# Altium PCB tagIT_pcb.PcbDoc (part 1 of 2) (continued)
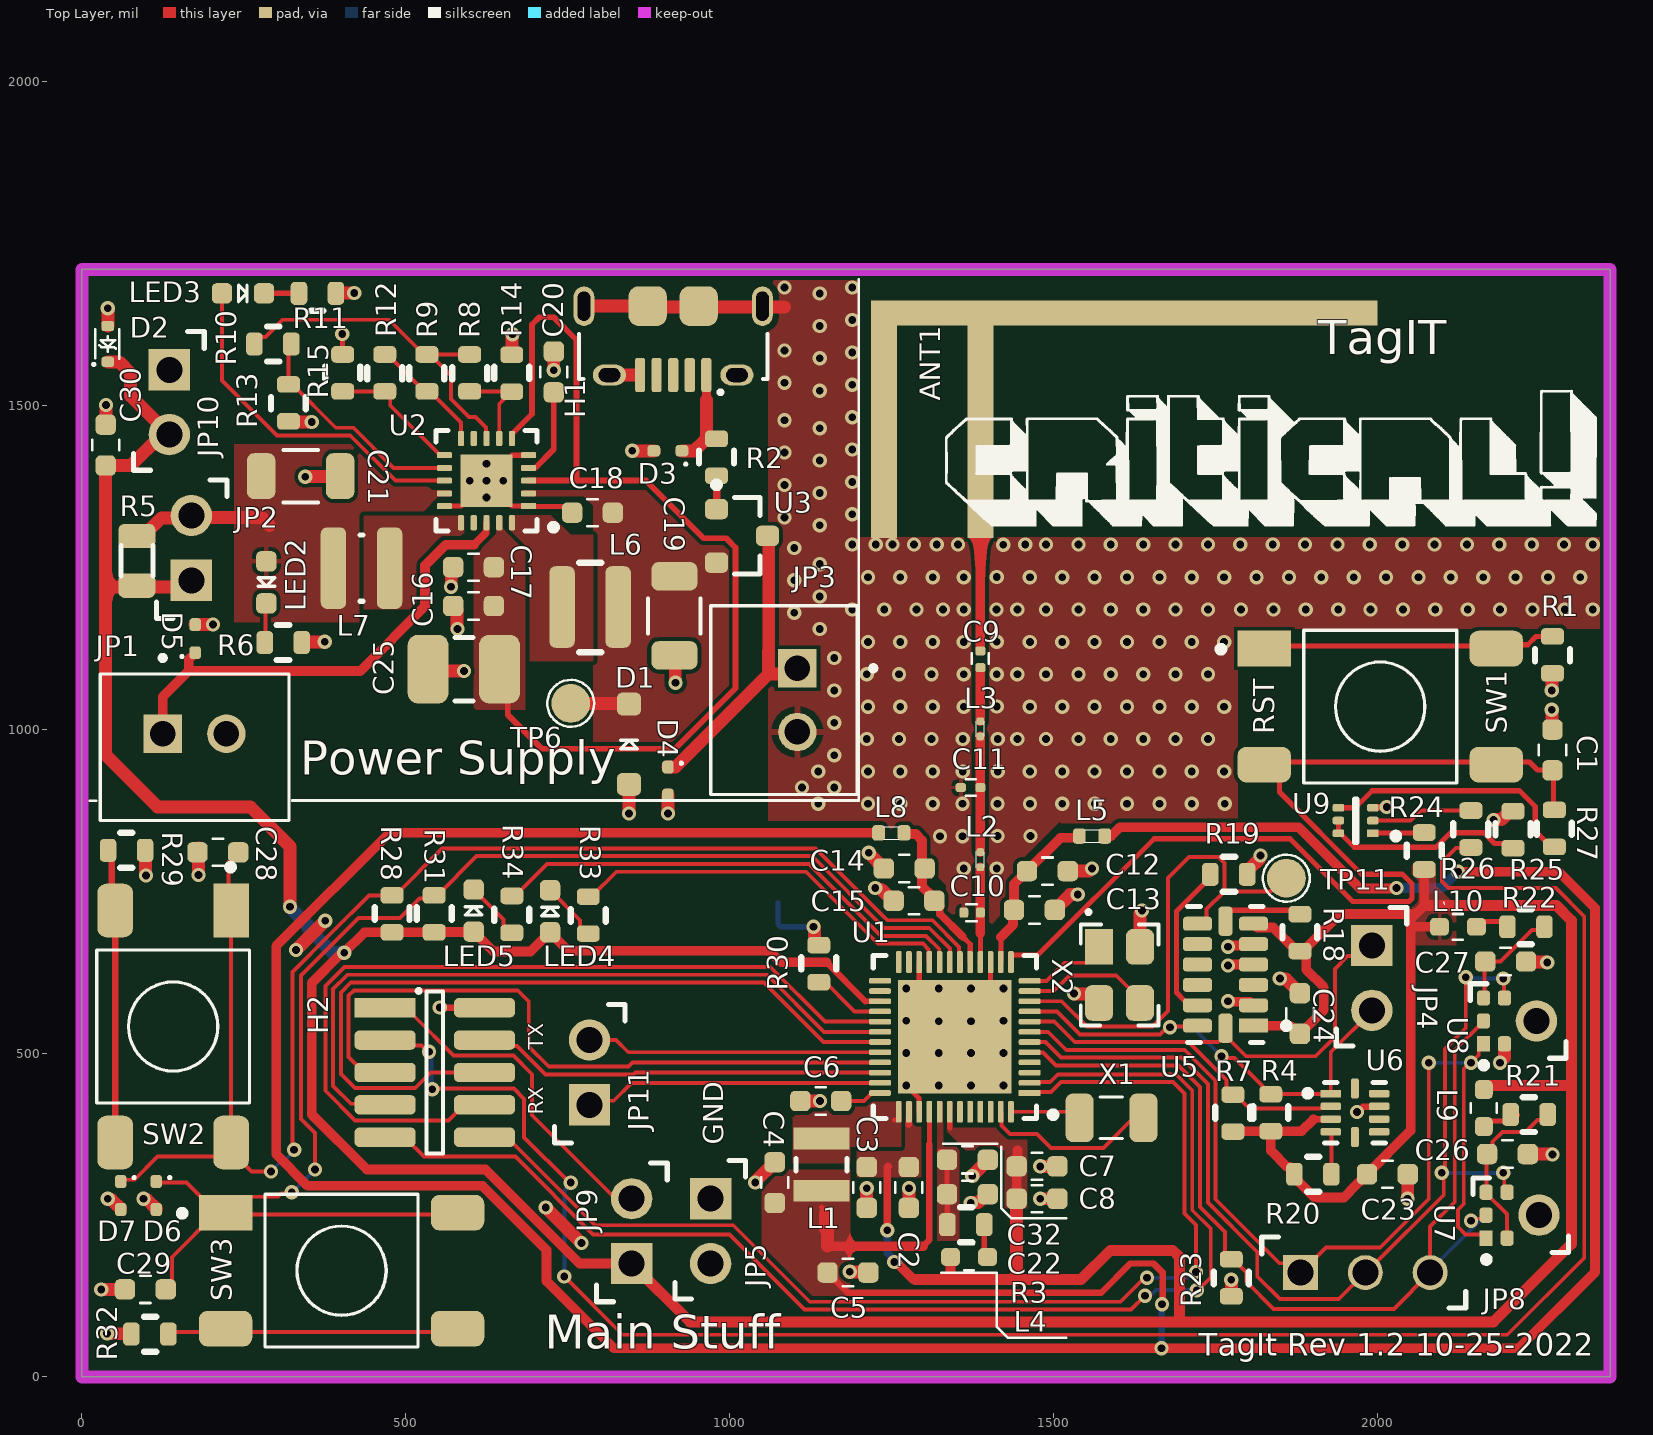
[diagram p0: Top Layer view]
## Part data (continued)
C13: library part 06035U180GAT2A, "Cap Ceramic 18pF 50V C0G 2% SMD 0603 125°C T/R", Capacitance=18pF, Case Code (Imperial)=0603, Case Code (Metric)=1608, Dielectric=C0G, Manufacturer="Kyocera AVX", Max Operating Temperature=125°C, Min Operating Temperature=-55°C, Package Quantity=8000, Resistor Type=Ceramic, Tolerance=2%, Voltage Rating=50V, Case/Package=0603, Category="Ceramic Capacitors", ComponentLink1Description=https://datasheet.ciiva.com/208/useries-208103.pdf?src-supplier=Digi-Key, ComponentLink1URL=https://datasheet.ciiva.com/208/useries-208103.pdf?src-supplier=Digi-Key, Construction=Flat, Depth=0.76mm, Height=0.91mm, Lead Free="Lead Free", Length=1.52mm, Manufacturer Part Number=06035U180GAT2A, Mount="Surface Mount", Packaging="Tape and Reel", Pricing 1="1=0.34000, 10=0.23000, 50=0.15360, 100=0.13050, 500=0.09212, 1000=0.08060 (USD)", Radiation Hardening=No, RoHS=Yes, RoHS Compliant=Yes, Series=U, Stock 1=3947, Supplier 1=Digi-Key, Termination=SMD/SMT, Thickness=0.036inch, Voltage Rating (DC)=50V, Width=0.81mm
C14: library part CL10A105KQ8NNNC, "Cap Ceramic 1uF 6.3V X5R 10% SMD 0603 85°C Paper T/R", Case Code (Imperial)=0603, Case Code (Metric)=1608, Dielectric=X5R, Manufacturer=Samsung, Max Operating Temperature=85°C, Min Operating Temperature=-55°C, Package Quantity=1, Tolerance=10%, Voltage Rating=6.3V, Capacitance=1uF, Case/Package=0603, Category="Ceramic Capacitors", ComponentLink1Description=https://datasheet.ciiva.com/25801/cl10a105kq8nnnc-25801975.pdf?src-supplier=Digi-Key, ComponentLink1URL=https://datasheet.ciiva.com/25801/cl10a105kq8nnnc-25801975.pdf?src-supplier=Digi-Key, ComponentLink2Description=https://datasheet.ciiva.com/26838/getdatasheetpartid-355285-26838337.pdf?src-supplier=Verical, ComponentLink2URL=https://datasheet.ciiva.com/26838/getdatasheetpartid-355285-26838337.pdf?src-supplier=Verical, ComponentLink3Description=https://datasheet.ciiva.com/16199/cl10a105ko8nnnc-16199274.pdf?src-supplier=Future+Electronics, ComponentLink3URL=https://datasheet.ciiva.com/16199/cl10a105ko8nnnc-16199274.pdf?src-supplier=Future+Electronics, Construction=Flat, Depth=0.8mm, Height=0.8mm, Lead Free="Lead Free", Length=1.6mm, Manufacturer Part Number=CL10A105KQ8NNNC, Mount="Surface Mount", Packaging="Tape and Reel", Pricing 1="1=0.10000, 10=0.02900, 50=0.01560, 100=0.01270, 500=0.00908, 1000=0.00714 (USD)", Radiation Hardening=No, RoHS=Yes, RoHS Compliant=Yes, Series=CL, Stock 1=753640, Supplier 1=Digi-Key, Thickness=0.035inch, Voltage Rating (DC)=6.3V, Width=0.031inch
C15: library part 06035C121KAT2A, "0603 120 pF 50 V ±10% Tolerance X7R Multilayer Ceramic Chip Capacitor", Capacitance=120pF, Case Code (Imperial)=0603, Case Code (Metric)=1608, Dielectric=X7R, Manufacturer="Kyocera AVX", Max Operating Temperature=125°C, Min Operating Temperature=-55°C, Package Quantity=4000, Tolerance=10%, Voltage Rating=50V, Case/Package=0603, Category="Ceramic Capacitors", ComponentLink1Description=https://datasheet.ciiva.com/204/cx7r-204503.pdf?src-supplier=Digi-Key, ComponentLink1URL=https://datasheet.ciiva.com/204/cx7r-204503.pdf?src-supplier=Digi-Key, Construction=Flat, Depth=0.81mm, Dissipation Factor=2.5%, Length=1.6mm, Manufacturer Part Number=06035C121KAT2A, Mount="Surface Mount", Number of Pins=2, Packaging="Tape and Reel", Pricing 1="1=0.13000, 10=0.09300, 50=0.05300, 100=0.04390, 500=0.03080, 1000=0.02550 (USD)", REACH SVHC=Unknown, RoHS=Yes, RoHS Compliant=Yes, Series=-, Stock 1=21665, Supplier 1=Digi-Key, Termination=SMD/SMT, Thickness=0.035inch, Voltage Rating (DC)=50V, Width=0.81mm
C16 C20 C22: library part 885012206014, "10nF Multilayer Ceramic Capacitor MLCC 10 V; X7R Dielectric 0603 Surface Mount", Capacitance=10nF, Case Code (Imperial)=0603, Case Code (Metric)=1608, Manufacturer="Wurth Electronics", Max Operating Temperature=125°C, Min Operating Temperature=-55°C, Tolerance=10%, Voltage Rating=10V, Case/Package=0603, Category="Ceramic Capacitors", ComponentLink1Description=http://www.farnell.com/datasheets/2031824.pdf?src-supplier=Farnell, ComponentLink1URL=http://www.farnell.com/datasheets/2031824.pdf?src-supplier=Farnell, ComponentLink2Description=https://katalog.we-online.de/pbs/datasheet/885012206014.pdf?src-supplier=Digi-Key, ComponentLink2URL=https://katalog.we-online.de/pbs/datasheet/885012206014.pdf?src-supplier=Digi-Key, ComponentLink3Description=http://www.farnell.com/datasheets/2031824.pdf?src-supplier=Newark, ComponentLink3URL=http://www.farnell.com/datasheets/2031824.pdf?src-supplier=Newark, Length=0.063inch, Manufacturer Part Number=885012206014, Mount="Surface Mount", Packaging="Cut Tape", Pricing 1="1=0.10000, 10=0.02300, 100=0.02100, 500=0.01900 (USD)", RoHS=Yes, RoHS Compliant=Yes, Stock 1=61714, Supplier 1=Digi-Key, Thickness=0.034inch, Width=0.031inch
C17 C18: library part C1608X5R1C475M080AC, "C Series 0603 4.7 uF 16 V ±20 % Tolerance X5R SMT Multilayer Ceramic Capacitor", Capacitance=4.7uF, Case Code (Imperial)=0603, Case Code (Metric)=1608, Dielectric=X5R, Dielectric Material=Ceramic, Manufacturer=TDK, Max Operating Temperature=85°C, Min Operating Temperature=-55°C, Package Quantity=1, Tolerance=20%, Voltage Rating=16V, Case/Package=0603, Category="Ceramic Capacitors", ComponentLink1Description=https://datasheet.ciiva.com/6251/tdkmlcccaprange-6251689.pdf?src-supplier=Digi-Key, ComponentLink1URL=https://datasheet.ciiva.com/6251/tdkmlcccaprange-6251689.pdf?src-supplier=Digi-Key, ComponentLink2Description=https://datasheet.ciiva.com/6251/tdkmlcccaprange-6251693.pdf?src-supplier=Digi-Key, ComponentLink2URL=https://datasheet.ciiva.com/6251/tdkmlcccaprange-6251693.pdf?src-supplier=Digi-Key, Construction=Flat, Depth=0.8mm, Height=0.8mm, Lead Free="Lead Free", Length=1.6mm, Manufacturer Part Number=C1608X5R1C475M080AC, Mount="Surface Mount", Packaging="Tape and Reel", Pricing 1="1=0.27250, 10=0.12950, 25=0.12820, 50=0.12580, 100=0.10640 (USD)", REACH SVHC="No SVHC", RoHS=Yes, RoHS Compliant=Yes, Series=C, Stock 1=175, Supplier 1="Arrow Electronics", Thickness=0.035inch, Voltage Rating (DC)=16V, Width=0.031inch
C19 C21: library part GMC31X5R226K16NT, "Cap Cer 22UF 16V X5R 1206", Manufacturer="Cal-Chip Electronics", Manufacturer Part Number=GMC31X5R226K16NT, Supplier 1=Digi-Key
C23 C24 C30: library part CL10A106MA8NRNC, "CAP CER 10UF 25V X5R 0603", Capacitance=10uF, Case Code (Imperial)=0603, Case Code (Metric)=1608, Dielectric=X5R, Manufacturer=Samsung, Max Operating Temperature=85°C, Min Operating Temperature=-55°C, Package Quantity=1, Tolerance=20%, Voltage Rating=25V, Case/Package=0603, Category="Ceramic Capacitors", ComponentLink1Description=https://datasheet.ciiva.com/25766/cl10a106ma8nrnc-25766562.pdf?src-supplier=Digi-Key, ComponentLink1URL=https://datasheet.ciiva.com/25766/cl10a106ma8nrnc-25766562.pdf?src-supplier=Digi-Key, Construction=Flat, Contact Plating=Tin, Lead Free="Lead Free", Length=0.063inch, Manufacturer Part Number=CL10A106MA8NRNC, Mount="Surface Mount", Packaging="Tape and Reel", Pricing 1="1=0.26000, 10=0.17900, 50=0.11960, 100=0.10170, 500=0.07178, 1000=0.06280 (USD)", RoHS=Yes, RoHS Compliant=Yes, Series=CL, Stock 1=1267990, Supplier 1=Digi-Key, Termination=Wraparound, Thickness=0.035inch, Width=0.031inch
C25: library part 12101C105K4T4A, "Cap Cer 1UF 100V X7R 1210", Capacitance=1uF, Case Code (Imperial)=1210, Case Code (Metric)=3225, Manufacturer="Kyocera AVX", Max Operating Temperature=125°C, Min Operating Temperature=-55°C, Package Quantity=5000, Tolerance=10%, Voltage Rating=100V, Case/Package=1210, Category="Ceramic Capacitors", ComponentLink1Description=http://www.mouser.com/ds/2/40/AutoMLCC-777028.pdf?src-supplier=Mouser, ComponentLink1URL=http://www.mouser.com/ds/2/40/AutoMLCC-777028.pdf?src-supplier=Mouser, ComponentLink2Description=http://catalogs.avx.com/SurfaceMount.pdf?src-supplier=Digi-Key, ComponentLink2URL=http://catalogs.avx.com/SurfaceMount.pdf?src-supplier=Digi-Key, ComponentLink3Description=http://datasheets.avx.com/AutoMLCC.pdf?src-supplier=Digi-Key, ComponentLink3URL=http://datasheets.avx.com/AutoMLCC.pdf?src-supplier=Digi-Key, Manufacturer Part Number=12101C105K4T4A, Packaging="Tape and Reel", Pricing 1="1=0.96000, 10=0.73000, 50=0.60680, 100=0.52250, 500=0.40450, 1000=0.34832, 2500=0.32585 (USD)", RoHS=Yes, RoHS Compliant=Yes, Stock 1=7082, Supplier 1=Digi-Key, Termination=SMD/SMT, Voltage Rating (DC)=100V
C26 C27 C32: library part CL10A106MA8NRNC, "CAP CER 10UF 25V X5R 0603", Case Code (Imperial)=0603, Case Code (Metric)=1608, Dielectric=X5R, Manufacturer=Samsung, Max Operating Temperature=85°C, Min Operating Temperature=-55°C, Package Quantity=1, Tolerance=20%, Voltage Rating=25V, Capacitance=10uF, Case/Package=0603, Category="Ceramic Capacitors", ComponentLink1Description=https://datasheet.ciiva.com/25766/cl10a106ma8nrnc-25766562.pdf?src-supplier=Digi-Key, ComponentLink1URL=https://datasheet.ciiva.com/25766/cl10a106ma8nrnc-25766562.pdf?src-supplier=Digi-Key, Construction=Flat, Contact Plating=Tin, Lead Free="Lead Free", Length=0.063inch, Manufacturer Part Number=CL10A106MA8NRNC, Mount="Surface Mount", Packaging="Tape and Reel", Pricing 1="1=0.26000, 10=0.17900, 50=0.11960, 100=0.10170, 500=0.07178, 1000=0.06280 (USD)", RoHS=Yes, RoHS Compliant=Yes, Series=CL, Stock 1=1267990, Supplier 1=Digi-Key, Termination=Wraparound, Thickness=0.035inch, Width=0.031inch
C28 C29: library part CL10B102KB8NNNC, "CAP CER 1000PF 50V X7R 0603", Capacitance=1nF, Case Code (Imperial)=0603, Case Code (Metric)=1608, Dielectric=X7R, Manufacturer=Samsung, Max Operating Temperature=125°C, Min Operating Temperature=-55°C, Package Quantity=1, Tolerance=10%, Voltage=50V, Case/Package=0603, Category="Ceramic Capacitors", ComponentLink1Description=https://datasheet.ciiva.com/25805/cl10b102kb8nnnc-25805137.pdf?src-supplier=Digi-Key, ComponentLink1URL=https://datasheet.ciiva.com/25805/cl10b102kb8nnnc-25805137.pdf?src-supplier=Digi-Key, ComponentLink2Description=https://datasheet.ciiva.com/15216/getdatasheetpartid-359690-15216231.pdf?src-supplier=Verical, ComponentLink2URL=https://datasheet.ciiva.com/15216/getdatasheetpartid-359690-15216231.pdf?src-supplier=Verical, ComponentLink3Description=https://datasheet.ciiva.com/29198/458300-da-01-en-vs-kondensator-0603-29198498.pdf?src-supplier=Conrad, ComponentLink3URL=https://datasheet.ciiva.com/29198/458300-da-01-en-vs-kondensator-0603-29198498.pdf?src-supplier=Conrad, ComponentLink4Description=https://datasheet.ciiva.com/26310/mlcc-catalogdownload2013-eng-26310326.pdf?src-supplier=Distrelec, ComponentLink4URL=https://datasheet.ciiva.com/26310/mlcc-catalogdownload2013-eng-26310326.pdf?src-supplier=Distrelec, ComponentLink5Description=https://datasheet.ciiva.com/16199/cl05b104kq5nnnc-16199064.pdf?src-supplier=Future+Electronics, ComponentLink5URL=https://datasheet.ciiva.com/16199/cl05b104kq5nnnc-16199064.pdf?src-supplier=Future+Electronics, Construction=Flat, Contact Plating=Tin, Depth=0.8mm, Height=0.8mm, Lead Free="Lead Free", Length=1.6mm, Manufacturer Part Number=CL10B102KB8NNNC, Material=Ceramic, Mount="Surface Mount", Packaging="Tape and Reel", Pricing 1="1=0.10000, 10=0.02900, 50=0.01560, 100=0.01280, 500=0.00916, 1000=0.00719 (USD)", Radiation Hardening=No, RoHS=Yes, RoHS Compliant=Yes, Series=CL, Stock 1=2095914, Supplier 1=Digi-Key, Thickness=0.035inch, Voltage Rating=50V, Voltage Rating (DC)=50V, Width=0.031inch
D1: library part BZT52C4V7-13-F, "Vz=4.7V 4.4V~5V Izt=5mA"
D2: library part MM5Z3V0T5GF, "Zener Diode, 3V, 0.3W, Sc-79 Rohs Compliant: Yes", Manufacturer=Nexperia, Manufacturer Part Number=MM5Z3V0T5GF, Pricing 1="1=0.30000, 10=0.24800, 100=0.13170, 500=0.08666, 1000=0.05893 (USD)", RoHS=No, Stock 1=2950, Supplier 1=Digi-Key
D3 D4 D5 D6 D7: library part SP1003-01DTG, "TVS DIODE 5VWM 12VC SOD723", Breakdown Voltage=5V, Capacitance=30pF, Clamping Voltage=12V, Clamping Voltage-Max=12.5V, Leakage Current=100nA, Manufacturer=Littelfuse, Max Operating Temperature=85°C, Max Surge Current=7A, Min Breakdown Voltage=6V, Min Operating Temperature=-40°C, Package Quantity=8000, Power Line Protection=No, Resistor Type=Zener, Test Current=1mA, Category="TVS Diodes", ComponentLink1Description=https://datasheet.ciiva.com/8062/littelfuse-spa-sp1003-series-8062432.pdf?src-supplier=Element14, ComponentLink1URL=https://datasheet.ciiva.com/8062/littelfuse-spa-sp1003-series-8062432.pdf?src-supplier=Element14, ComponentLink2Description=https://datasheet.ciiva.com/5771/littelfuse-spa-sp1003-series-5771141.pdf?src-supplier=Farnell, ComponentLink2URL=https://datasheet.ciiva.com/5771/littelfuse-spa-sp1003-series-5771141.pdf?src-supplier=Farnell, ComponentLink3Description=https://datasheet.ciiva.com/330/littelfuse-tvs-diode-array-sp1003-datasheet-pdf-330692.pdf?src-supplier=Digi-Key, ComponentLink3URL=https://datasheet.ciiva.com/330/littelfuse-tvs-diode-array-sp1003-datasheet-pdf-330692.pdf?src-supplier=Digi-Key, ComponentLink4Description=https://datasheet.ciiva.com/330/littelfuse-tvs-diode-array-sp1003-datasheet-pdf-330693.pdf?src-supplier=Digi-Key, ComponentLink4URL=https://datasheet.ciiva.com/330/littelfuse-tvs-diode-array-sp1003-datasheet-pdf-330693.pdf?src-supplier=Digi-Key, ComponentLink5Description=https://datasheet.ciiva.com/330/littelfuse-tvs-diode-array-sp1003-datasheet-pdf-330691.pdf?src-supplier=Digi-Key, ComponentLink5URL=https://datasheet.ciiva.com/330/littelfuse-tvs-diode-array-sp1003-datasheet-pdf-330691.pdf?src-supplier=Digi-Key, ComponentLink6Description=https://datasheet.ciiva.com/16216/littelfuse-spa-sp1003-series-16216345.pdf?src-supplier=Future+Electronics, ComponentLink6URL=https://datasheet.ciiva.com/16216/littelfuse-spa-sp1003-series-16216345.pdf?src-supplier=Future+Electronics, Diode Type=ZENER, Direction=Unidirectional, Lead Free="Lead Free", Manufacturer Part Number=SP1003-01DTG, Mount="Surface Mount", Number of Channels=1, Number of Elements=1, Number of Pins=2, Number of Unidirectional Channels=1, Operating Supply Voltage=5V, Packaging="Tape and Reel", Peak Pulse Current=7A, Polarity=Bidirectional,Unidirectional, Pricing 1="1=0.54000, 10=0.44100, 100=0.30000, 500=0.22504, 1000=0.16878, 2000=0.15471 (USD)", REACH SVHC="No SVHC", Reverse Breakdown Voltage=6V, Reverse Standoff Voltage=5V, RoHS=Yes, RoHS Compliant=Yes, Series="SP1003, SPA®", Stock 1=277161, Supplier 1=Digi-Key, Termination=SMD/SMT
H1: library part 10118194-0001LF, "USB - micro B USB 2.0 Receptacle Connector 5 Position Surface Mount, Right Angle; Through Hole", Color=Black, Current Rating=1.8A, Flammability Rating="UL94 V-0", Insulation Resistance=1GR, Manufacturer="Amphenol FCI", Max Operating Temperature=85°C, Max Voltage Rating (AC)=100V, Min Operating Temperature=-55°C, Package Quantity=9600, Supplier Part Number 1=609-4618-6-ND, Category="USB Connectors", ComponentLink1Description=https://datasheet.ciiva.com/4598/10118194ac-197217-4598807.pdf?src-supplier=Mouser, ComponentLink1URL=https://datasheet.ciiva.com/4598/10118194ac-197217-4598807.pdf?src-supplier=Mouser, ComponentLink2Description=https://datasheet.ciiva.com/26945/getdatasheetpartid-418619-26945695.pdf?src-supplier=Verical, ComponentLink2URL=https://datasheet.ciiva.com/26945/getdatasheetpartid-418619-26945695.pdf?src-supplier=Verical, ComponentLink3Description=https://datasheet.ciiva.com/851/10118194-851110.pdf?src-supplier=Digi-Key, ComponentLink3URL=https://datasheet.ciiva.com/851/10118194-851110.pdf?src-supplier=Digi-Key, ComponentLink4Description=https://datasheet.ciiva.com/851/10118194-851111.pdf?src-supplier=Digi-Key, ComponentLink4URL=https://datasheet.ciiva.com/851/10118194-851111.pdf?src-supplier=Digi-Key, Connector Type=USB,Receptacle, Contact Material="Copper Alloy", Contact Plating=Gold, Depth=5mm, Features=Shielded, Gender=Receptacle, Housing Material=Polymer, Lead Free="Lead Free", Length=8.05mm, Manufacturer Part Number=10118194-0001LF, Mount="Surface Mount,Horizontal", Number of Contacts=5, Number of Ports=1, Number of Terminals/Pins=5, Orientation="Right Angle", Packaging="Tape and Reel", Pitch=0.65mm, Pricing 1="1=0.48000, 10=0.45100, 25=0.38680, 50=0.32860, 100=0.31580, 250=0.28360, 500=0.27070 (USD)", Radiation Hardening=No, RoHS=Yes, Stock 1=87961, Supplier 1=Digi-Key, Termination=Solder
H2: library part 20021121-00010C1LF, "CONN HEADER SMD 10POS 1.27MM. Connector Header Surface Mount 10 position 0.050\"", Manufacturer="Amphenol ICC / FCI", Category="Headers and Wire Housings", Manufacturer Part Number=20021121-00010C1LF, RoHS=No, Supplier 1=Digi-Key
JP1 JP3: library part B2B-XH-A(LF)(SN), "Conn Shrouded Header (4 Sides) HDR 2 POS 2.5mm Solder ST Thru-Hole Box"
JP2 JP4 JP9 JP10 JP11: "2.54mm Pitch C-Grid III Header, Dual Row, Vertical, 2 Circuits, Tin (Sn) Plating", Color=Black, Manufacturer=Molex, Max Operating Temperature=125°C, Min Operating Temperature=-55°C, Category="Headers and Wire Housings", ComponentLink1Description=https://datasheet.ciiva.com/2961/901310123-sd-2961427.pdf?src-supplier=Digi-Key, ComponentLink1URL=https://datasheet.ciiva.com/2961/901310123-sd-2961427.pdf?src-supplier=Digi-Key, Connector Type="Male Pin", Contact Material=Brass, Contact Mating Length=0.266inch, Contact Plating=Tin, Contact Type="Male Pin", Depth=5.08mm, Housing Color=Black, Housing Material=Polyester, Length=2.54mm, Manufacturer Part Number=0901310121, Mount="Through Hole", Number of Positions=2, Number of Rows=2, Orientation=Straight, Packaging=Bulk, Pricing 1="1=0.28000, 10=0.22300, 100=0.16380 (USD)", RoHS=Yes, Row Spacing=0.1inch, Series="C-Grid III™ 90131", Stock 1=1025, Supplier 1=Digi-Key, Termination=Solder
JP5: library part 0901310121, "2.54mm Pitch C-Grid III Header, Dual Row, Vertical, 2 Circuits, Tin (Sn) Plating", Color=Black, Manufacturer=Molex, Max Operating Temperature=125°C, Min Operating Temperature=-55°C, Category="Headers and Wire Housings", ComponentLink1Description=https://datasheet.ciiva.com/2961/901310123-sd-2961427.pdf?src-supplier=Digi-Key, ComponentLink1URL=https://datasheet.ciiva.com/2961/901310123-sd-2961427.pdf?src-supplier=Digi-Key, Connector Type="Male Pin", Contact Material=Brass, Contact Mating Length=0.266inch, Contact Plating=Tin, Contact Type="Male Pin", Depth=5.08mm, Housing Color=Black, Housing Material=Polyester, Length=2.54mm, Manufacturer Part Number=0901310121, Mount="Through Hole", Number of Positions=2, Number of Rows=2, Orientation=Straight, Packaging=Bulk, Pricing 1="1=0.28000, 10=0.22300, 100=0.16380 (USD)", RoHS=Yes, Row Spacing=0.1inch, Series="C-Grid III™ 90131", Stock 1=1025, Supplier 1=Digi-Key, Termination=Solder
JP8: "KK 254 Breakaway Header, Vertical, 3 Circuits, 0.76µm Gold (Au) Selective Plating, Mating Pin Length 6.09mm", Color=Black, Contact Resistance=20mR, Current Rating=4A, Flammability Rating="UL94 V-0", Manufacturer=Molex, Max Operating Temperature=75°C, Max Voltage Rating (AC)=250V, Max Voltage Rating (DC)=250.25kV, Min Operating Temperature=0°C, Package Quantity=1, Category="Headers and Wire Housings", ComponentLink1Description=https://datasheet.ciiva.com/711/022284025-sd-711867.pdf?src-supplier=Digi-Key, ComponentLink1URL=https://datasheet.ciiva.com/711/022284025-sd-711867.pdf?src-supplier=Digi-Key, ComponentLink2Description=https://datasheet.ciiva.com/30093/188640022284036-pcb-headers-30093223.pdf?src-supplier=Onlinecomponents.com, ComponentLink2URL=https://datasheet.ciiva.com/30093/188640022284036-pcb-headers-30093223.pdf?src-supplier=Onlinecomponents.com, ComponentLink3Description=https://datasheet.ciiva.com/5153/0022284036-pcb-headers-228126-5153394.pdf?src-supplier=Mouser, ComponentLink3URL=https://datasheet.ciiva.com/5153/0022284036-pcb-headers-228126-5153394.pdf?src-supplier=Mouser, ComponentLink4Description=https://datasheet.ciiva.com/15175/getdatasheetpartid-36425-15175427.pdf?src-supplier=Verical, ComponentLink4URL=https://datasheet.ciiva.com/15175/getdatasheetpartid-36425-15175427.pdf?src-supplier=Verical, Connector Type="Male Pin", Contact Gender=Male, Contact Material=Brass,Bronze, Contact Mating Length=0.24inch, Contact Plating=Gold, Contact Post Length=3.18mm, Contact Type="Male Pin", Depth=2.49mm, Gender=Male, Glow Wire Compliant=Non-compliant, Housing Color=Black, Housing Material=Nylon, Lead Free="Lead Free", Length=7.62mm, Manufacturer Part Number=22-28-4036, Mount="Through Hole", Number of Circuits=3, Number of Contacts=3, Number of Positions=3, Number of Rows=1, Orientation=Straight, Packaging=Bulk, Pitch=2.54mm, Pricing 1="1=0.41000, 10=0.33100, 100=0.24280, 1000=0.19312, 5000=0.16553, 10000=0.15450 (USD)", Radiation Hardening=No, REACH SVHC=Unknown, RoHS=Yes, RoHS Compliant=Yes, Series="KK® 42375", Stock 1=18488, Supplier 1=Digi-Key, Termination=Solder, Voltage Rating=250V, Voltage Rating (DC)=250V
L1: library part DFE2HCAH2R2MJ0L, "Inductor Power Shielded Wirewound 2.2uH 20% 1MHz Metal 1.9A 0.101Ohm DCR 1008 Automotive T/R", Manufacturer=Murata, Category="Fixed Inductors", Manufacturer Part Number=DFE2HCAH2R2MJ0L, Pricing 1="1=0.70000, 10=0.61300, 25=0.56920, 50=0.48160, 100=0.43780, 250=0.41148, 500=0.36772, 1000=0.29767 (USD)", RoHS=Yes, Stock 1=19601, Supplier 1=Digi-Key
L2: library part LQP03HQ2N5B02D, "Inductor RF Chip Unshielded Thick Film 0.0025uH 0.1nH 500MHz 20Q-Factor 0.6A 0.12Ohm DCR 0201 T/R", Case Code (Imperial)=0201, Case Code (Metric)=0603, Current Rating=600mA, DC Resistance (DCR)=120mR, Inductance=2.5nH, Manufacturer=Murata, Max Operating Temperature=125°C, Min Operating Temperature=-55°C, Resistor Type="Thin Film", Self Resonant Frequency=9GHz, Test Frequency=500MHz, Case/Package=0201, Category="Fixed Inductors", ComponentLink1Description=http://search.murata.co.jp/Ceramy/image/img/P02/JELF243C-0021.pdf?src-supplier=Digi-Key, ComponentLink1URL=http://search.murata.co.jp/Ceramy/image/img/P02/JELF243C-0021.pdf?src-supplier=Digi-Key, ComponentLink2Description=https://search.murata.co.jp/Ceramy/image/img/P02/JELF243C-0021.pdf?src-supplier=Digi-Key, ComponentLink2URL=https://search.murata.co.jp/Ceramy/image/img/P02/JELF243C-0021.pdf?src-supplier=Digi-Key, Core Material=Non-Magnetic, Manufacturer Part Number=LQP03HQ2N5B02D, Mount="Surface Mount", Packaging="Tape and Reel", Pricing 1="1=0.18000, 10=0.16400, 25=0.14560, 50=0.12360, 100=0.10910, 250=0.10000, 500=0.09090, 1000=0.07636, 2500=0.06545 (USD)", RoHS=Yes, RoHS Compliant=Yes, Shielding=Unshielded, Stock 1=10280, Supplier 1=Digi-Key
L3: library part LQP03HQ1N7B02D, "Inductor High Frequency Chip Thin Film 1.7nH 0.1nH 500MHz 800mA 70mOhm DCR 0201", Case Code (Imperial)=0201, Case Code (Metric)=0603, Current Rating=800mA, DC Resistance (DCR)=70mR, Inductance=1.7nH, Manufacturer=Murata, Max Operating Temperature=125°C, Min Operating Temperature=-55°C, Resistor Type="Thin Film", Self Resonant Frequency=10GHz, Test Frequency=500MHz, Case/Package=0201, Category="Fixed Inductors", ComponentLink1Description=http://search.murata.co.jp/Ceramy/image/img/P02/JELF243C-0021.pdf?src-supplier=Digi-Key, ComponentLink1URL=http://search.murata.co.jp/Ceramy/image/img/P02/JELF243C-0021.pdf?src-supplier=Digi-Key, Core Material=Non-Magnetic, Manufacturer Part Number=LQP03HQ1N7B02D, Mount="Surface Mount", Packaging="Tape and Reel", Pricing 1="1=0.18000, 10=0.16400, 25=0.14560, 50=0.12360, 100=0.10910, 250=0.10000, 500=0.09090, 1000=0.07636, 2500=0.06545 (USD)", RoHS=Yes, RoHS Compliant=Yes, Shielding=Unshielded, Stock 1=8134, Supplier 1=Digi-Key
L4 L9 L10: "Ferrite Bead, 0.4 Ohm, 0.2A, 0603", Case Code (Imperial)=0603, Case Code (Metric)=1608, Case/Package=SMD/SMT, Current Rating=200mA, DC Resistance (DCR)=400mR, Manufacturer="Wurth Electronics", Max Operating Temperature=125°C, Min Operating Temperature=-55°C, Package Quantity=4000, Test Frequency=400MHz, Tolerance=25%, Category="Ferrite Beads and Chips", ComponentLink1Description=https://datasheet.ciiva.com/1475/530504-1475335.pdf?src-supplier=Farnell, ComponentLink1URL=https://datasheet.ciiva.com/1475/530504-1475335.pdf?src-supplier=Farnell, ComponentLink2Description=https://datasheet.ciiva.com/29364/742792631-29364369.pdf?src-supplier=Digi-Key, ComponentLink2URL=https://datasheet.ciiva.com/29364/742792631-29364369.pdf?src-supplier=Digi-Key, ComponentLink3Description=https://datasheet.ciiva.com/30490/0900766b812a6750-30490065.pdf?src-supplier=RSComponents, ComponentLink3URL=https://datasheet.ciiva.com/30490/0900766b812a6750-30490065.pdf?src-supplier=RSComponents, ComponentLink4Description=https://datasheet.ciiva.com/1466/530504-1466428.pdf?src-supplier=Element14, ComponentLink4URL=https://datasheet.ciiva.com/1466/530504-1466428.pdf?src-supplier=Element14, Depth=0.8mm, Height=0.8mm, Impedance=240R, Length=1.6mm, Manufacturer Part Number=742792631, Material=Ferrite, Max Current Rating=200mA, Max DC Current=200mA, Mount="Surface Mount", Number of Lines=1, Number of Pins=2, Packaging="Tape and Reel", Pricing 1="1=0.15000, 50=0.14900, 100=0.13800, 500=0.13100, 1000=0.12600, 2000=0.11900 (USD)", REACH SVHC=Unknown, RoHS=Yes, RoHS Compliant=Yes, Series=WE-CBF, Stock 1=3999, Supplier 1=Digi-Key, Termination=SMD/SMT, Weight=7.1E-05oz, Width=0.8mm
L5 L8: "Ferrite Bead, 70OHm, 500mA", Case Code (Imperial)=0402, Case Code (Metric)=1005, Case/Package=SMD/SMT, Current Rating=500mA, DC Resistance (DCR)=150mR, Inductance=2.2H, Manufacturer="Wurth Electronics", Max Operating Temperature=125°C, Min Operating Temperature=-55°C, Package Quantity=10000, Resistance=350mR, Test Frequency=500MHz, Tolerance=25%, Category="Ferrite Beads and Chips", ComponentLink1Description=https://datasheet.ciiva.com/22711/1696015-22711442.pdf?src-supplier=Element14, ComponentLink1URL=https://datasheet.ciiva.com/22711/1696015-22711442.pdf?src-supplier=Element14, ComponentLink2Description=https://datasheet.ciiva.com/11803/0900766b80d2e08b-11803687.pdf?src-supplier=RSComponents, ComponentLink2URL=https://datasheet.ciiva.com/11803/0900766b80d2e08b-11803687.pdf?src-supplier=RSComponents, ComponentLink3Description=https://datasheet.ciiva.com/29364/74279277-29364315.pdf?src-supplier=Digi-Key, ComponentLink3URL=https://datasheet.ciiva.com/29364/74279277-29364315.pdf?src-supplier=Digi-Key, ComponentLink4Description=https://datasheet.ciiva.com/14122/74279277-eng-tds-14122870.pdf?src-supplier=Distrelec, ComponentLink4URL=https://datasheet.ciiva.com/14122/74279277-eng-tds-14122870.pdf?src-supplier=Distrelec, ComponentLink5Description=https://datasheet.ciiva.com/1466/1696015-1466619.pdf?src-supplier=Element14, ComponentLink5URL=https://datasheet.ciiva.com/1466/1696015-1466619.pdf?src-supplier=Element14, Core Material=Ferrite, Depth=0.5mm, Height=0.5mm, Impedance=70R, Length=1mm, Manufacturer Part Number=74279277, Material=Ferrite, Max Current Rating=500mA, Max DC Current=500mA, Mount="Surface Mount", Number of Lines=1, Packaging="Tape and Reel", Pricing 1="1=0.18000, 50=0.17900, 100=0.16500, 500=0.15800, 1000=0.15000, 2000=0.14300 (USD)", REACH SVHC=Unknown, RoHS=Yes, RoHS Compliant=Yes, Series=WE-CBF, Stock 1=2852, Supplier 1=Digi-Key, Termination=SMD/SMT, Weight=2.3E-05oz, Width=0.5mm
L6: library part 744025220, "Fixed Ind 22UH 500MA 575MOHM SMD", Case/Package=Nonstandard, Current Rating=500mA, DC Resistance (DCR)=575mR, Inductance=22uH, Inductance Tolerance=20%, Manufacturer="Wurth Electronics", Max Operating Temperature=125°C, Min Operating Temperature=-40°C, Package Quantity=550, Resistor Type=Wirewound, Saturation Current=750mA, Self Resonant Frequency=23MHz, Series Resistance=525mR, Test Frequency=100kHz, Category="Fixed Inductors", ComponentLink1Description=https://datasheet.ciiva.com/4954/744025220-66606-4954805.pdf?src-supplier=Mouser, ComponentLink1URL=https://datasheet.ciiva.com/4954/744025220-66606-4954805.pdf?src-supplier=Mouser, ComponentLink2Description=https://datasheet.ciiva.com/6697/744025220-6697526.pdf?src-supplier=Digi-Key, ComponentLink2URL=https://datasheet.ciiva.com/6697/744025220-6697526.pdf?src-supplier=Digi-Key, ComponentLink3Description=https://datasheet.ciiva.com/11803/0900766b80f886ba-11803595.pdf?src-supplier=RSComponents, ComponentLink3URL=https://datasheet.ciiva.com/11803/0900766b80f886ba-11803595.pdf?src-supplier=RSComponents, ComponentLink4Description=https://datasheet.ciiva.com/6697/744025220-6697527.pdf?src-supplier=Digi-Key, ComponentLink4URL=https://datasheet.ciiva.com/6697/744025220-6697527.pdf?src-supplier=Digi-Key, ComponentLink5Description=https://datasheet.ciiva.com/48691/001087107-da-01-ml-we-tpc-smd-speicherdrossel-7440252-de-en-48691031.pdf?src-supplier=Conrad, ComponentLink5URL=https://datasheet.ciiva.com/48691/001087107-da-01-ml-we-tpc-smd-speicherdrossel-7440252-de-en-48691031.pdf?src-supplier=Conrad, Core Material=Ferrite, Depth=2.8mm, Height=2.8mm, Height - Seated (Max)=0.118inch, Lead Free="Lead Free", Length=2.8mm, Manufacturer Part Number=744025220, Max DC Current=500mA, Mount="Surface Mount", Packaging="Tape and Reel", Pricing 1="1=1.64000, 10=1.57800, 50=1.45000, 100=1.20500, 250=1.08800 (USD)", REACH SVHC=Unknown, RMS Current (Irms)=500mA, RoHS=Yes, RoHS Compliant=Yes, Series=WE-TPC, Shielding=Shielded, Stock 1=23635, Supplier 1=Digi-Key, Termination=SMD/SMT, Tolerance=20%, Width=2.8mm
L7: library part 744029100, "Power Choke Shielded Wirewound 10uH 30% 100KHz Ferrite 650mA 470mOhm DCR T/R", Case/Package=Nonstandard, Current Rating=650mA, DC Resistance (DCR)=470mR, Inductance=10uH, Inductance Tolerance=30%, Manufacturer="Wurth Electronics", Max DC Current=800mA, Max Operating Temperature=125°C, Min Operating Temperature=-40°C, Package Quantity=1200, Resistor Type=Wirewound, Saturation Current=500mA, Self Resonant Frequency=40MHz, Series Resistance=300mR, Test Frequency=100kHz, Category="Fixed Inductors", ComponentLink1Description=https://datasheet.ciiva.com/5975/69360-5975061.pdf?src-supplier=Farnell, ComponentLink1URL=https://datasheet.ciiva.com/5975/69360-5975061.pdf?src-supplier=Farnell, ComponentLink2Description=https://datasheet.ciiva.com/11802/0900766b80d7f1cc-11802020.pdf?src-supplier=RSComponents, ComponentLink2URL=https://datasheet.ciiva.com/11802/0900766b80d7f1cc-11802020.pdf?src-supplier=RSComponents, ComponentLink3Description=https://datasheet.ciiva.com/4961/744029100-81254-4961409.pdf?src-supplier=Mouser, ComponentLink3URL=https://datasheet.ciiva.com/4961/744029100-81254-4961409.pdf?src-supplier=Mouser, ComponentLink4Description=https://datasheet.ciiva.com/6700/744029100-6700264.pdf?src-supplier=Digi-Key, ComponentLink4URL=https://datasheet.ciiva.com/6700/744029100-6700264.pdf?src-supplier=Digi-Key, ComponentLink5Description=https://datasheet.ciiva.com/7892/69360-7892549.pdf?src-supplier=Element14, ComponentLink5URL=https://datasheet.ciiva.com/7892/69360-7892549.pdf?src-supplier=Element14, ComponentLink6Description=https://datasheet.ciiva.com/22702/69360-22702631.pdf?src-supplier=Element14, ComponentLink6URL=https://datasheet.ciiva.com/22702/69360-22702631.pdf?src-supplier=Element14, ComponentLink7Description=https://datasheet.ciiva.com/6700/744029100-6700266.pdf?src-supplier=Digi-Key, ComponentLink7URL=https://datasheet.ciiva.com/6700/744029100-6700266.pdf?src-supplier=Digi-Key, Core Material=Ferrite, Depth=2.8mm, Height=1.35mm, Height - Seated (Max)=0.059inch, Lead Free="Lead Free", Length=2.8mm, Manufacturer Part Number=744029100, Mount="Surface Mount", Number of Pins=2, Packaging="Cut Tape", Pricing 1="1=1.53000, 10=1.48100, 50=1.29600, 100=1.22200, 500=1.04400 (USD)", REACH SVHC=Unknown, RMS Current (Irms)=650mA, RoHS=Yes, RoHS Compliant=Yes, Series=WE-TPC, Shielding=Shielded, Stock 1=72830, Supplier 1=Digi-Key, Termination=SMD/SMT, Tolerance=30%, Weight=0.001129oz, Width=2.8mm
LED2 LED3 LED4 LED5: library part SML-311UTT86, "LED Uni-Color Red 2-Pin Chip 0603(1608Metric) T/R / LED RED CLEAR 0603 SMD", Case Code (Imperial)=0603, Case Code (Metric)=1608, Color=Red, Forward Current=2mA, Forward Voltage=1.8V, Lens Color=Colorless,Clear, Manufacturer=Rohm, Max Operating Temperature=85°C, Min Operating Temperature=-30°C, Package Quantity=1, Case/Package=0603, Category=LEDs, ComponentLink1Description=https://datasheet.ciiva.com/11773/0900766b80df3a77-11773995.pdf?src-supplier=RSComponents, ComponentLink1URL=https://datasheet.ciiva.com/11773/0900766b80df3a77-11773995.pdf?src-supplier=RSComponents, ComponentLink2Description=https://datasheet.ciiva.com/2110/sml-311series-2110939.pdf?src-supplier=Digi-Key, ComponentLink2URL=https://datasheet.ciiva.com/2110/sml-311series-2110939.pdf?src-supplier=Digi-Key, ComponentLink3Description=https://datasheet.ciiva.com/2110/sml-311series-2110938.pdf?src-supplier=Digi-Key, ComponentLink3URL=https://datasheet.ciiva.com/2110/sml-311series-2110938.pdf?src-supplier=Digi-Key, ComponentLink4Description=https://datasheet.ciiva.com/2110/sml-311series-2110940.pdf?src-supplier=Digi-Key, ComponentLink4URL=https://datasheet.ciiva.com/2110/sml-311series-2110940.pdf?src-supplier=Digi-Key, ComponentLink5Description=https://datasheet.ciiva.com/16220/sml-31-16220745.pdf?src-supplier=Future+Electronics, ComponentLink5URL=https://datasheet.ciiva.com/16220/sml-31-16220745.pdf?src-supplier=Future+Electronics, Dominant Wavelength=620nm, Height=0.9mm, Illumination Color=Red, Lead Free="Lead Free", Length=1.6mm, Lens Style=Rectangular,Clear,Diffused,Colorless, Lens Transparency=Clear, Luminous Intensity=2.5mcd, Manufacturer Part Number=SML-311UTT86, Mount="Surface Mount", Number of LEDs=1, Number of Pins=2, Packaging="Tape and Reel", Pricing 1="1=0.40000, 10=0.26200, 100=0.17510, 500=0.12112, 1000=0.10094 (USD)", Radiation Hardening=No, RoHS=Yes, RoHS Compliant=Yes, Series=-, Stock 1=14178, Supplier 1=Digi-Key, Test Current=2mA, Viewing Angle=140°, Wavelength=630nm, Width=0.8mm
R1: library part RMCF0603FT100R, "Res Thick Film 0603 100 Ohm 1% 1/10W ±100ppm/°C Molded SMD SMD Paper T/R", Case Code (Imperial)=0603, Case Code (Metric)=1608, Manufacturer="Stackpole Electronics", Max Operating Temperature=155°C, Max Power Dissipation=100mW, Min Operating Temperature=-55°C, Resistor Type="Thick Film", Temperature Coefficient=100ppm/°C, Tolerance=1%, Case/Package=0603, Category="Chip SMD Resistors", ComponentLink1Description=https://datasheet.ciiva.com/15215/getdatasheetpartid-360413-15215981.pdf?src-supplier=Verical, ComponentLink1URL=https://datasheet.ciiva.com/15215/getdatasheetpartid-360413-15215981.pdf?src-supplier=Verical, Construction=Rectangular, Contact Plating=Tin,Matte, Depth=0.8mm, Features="Automotive AEC-Q200", Height=0.022inch, Lead Free="Lead Free", Length=1.55mm, Manufacturer Part Number=RMCF0603FT100R, Military Standard=Not, Mount="Surface Mount", Number of Terminations=2, Packaging="Tape and Reel", Power Rating=100mW, Pricing 1="1=0.10000, 10=0.01500, 100=0.00630, 1000=0.00281, 2500=0.00244 (USD)", Radiation Hardening=No, Resistance=100R, RoHS=Yes, RoHS Compliant=Yes, Series=RMCF, Size Code=0603, Stock 1=5761986, Supplier 1=Digi-Key, Width=0.031inch
R2: library part CRGCQ0603J22R, "Res Thick Film 0603 22 Ohm 5% 0.1W(1/10W) ±200ppm/C Pad SMD Automotive T/R", Manufacturer="TE Connectivity", Category="Chip SMD Resistors", ComponentLink1Description=http://www.farnell.com/datasheets/2609223.pdf?src-supplier=Farnell, ComponentLink1URL=http://www.farnell.com/datasheets/2609223.pdf?src-supplier=Farnell, ComponentLink2Description=https://4donline.ihs.com/images/VipMasterIC/IC/TYEL/TYEL-S-A0004929575/TYEL-S-A0004929575-1.pdf?hkey=52A5661711E402568146F3353EA87419&src-supplier=Element14, ComponentLink2URL=https://4donline.ihs.com/images/VipMasterIC/IC/TYEL/TYEL-S-A0004929575/TYEL-S-A0004929575-1.pdf?hkey=52A5661711E402568146F3353EA87419&src-supplier=Element14, ComponentLink3Description=https://4donline.ihs.com/images/VipMasterIC/IC/TYEL/TYEL-S-A0004929575/TYEL-S-A0004929575-1.pdf?hkey=52A5661711E402568146F3353EA87419&src-supplier=Newark, ComponentLink3URL=https://4donline.ihs.com/images/VipMasterIC/IC/TYEL/TYEL-S-A0004929575/TYEL-S-A0004929575-1.pdf?hkey=52A5661711E402568146F3353EA87419&src-supplier=Newark, ComponentLink4Description=https://www.te.com/commerce/DocumentDelivery/DDEController?Action=srchrtrv&amp;DocNm=1773204-3&amp;DocType=DS&amp;DocLang=English&src-supplier=Digi-Key, ComponentLink4URL=https://www.te.com/commerce/DocumentDelivery/DDEController?Action=srchrtrv&amp;DocNm=1773204-3&amp;DocType=DS&amp;DocLang=English&src-supplier=Digi-Key, Manufacturer Part Number=CRGCQ0603J22R, Pricing 1="1=0.10000, 10=0.02100, 100=0.00860, 1000=0.00388, 2500=0.00336 (USD)", RoHS=Yes, RoHS Compliant=Yes, Stock 1=467285, Supplier 1=Digi-Key